# Allegro board STARRYSKY.brd (continued)
## Routing (per net, layer and track width the routed paths; a pad name or vN(x,y) marks a point on that pad's centre or on a via; arc(x,y) is an arc through that point) (continued)
  TOP w0.381: U26.2 v1(54.54,63.25) ; v1(48.23,28.15) 47.85,28.53 C56.2 ; C29.2 57.9,28.53 58.2,28.83 v1(58.2,29.27) ; U32.2 v1(21.58,63.25) ; U9.2 40.81,10.67 40.66,10.82 v1(40.66,11.28) ; U27.2 v1(52,63.25) ; U45.2 v1(57.07,63.25) ; U7.2 v1(45.68,10.67) ; U36.2 v1(31.72,63.25) ; U10.2 v1(40.93,7.9) ; R3.1 v1(59.87,9.42) ; U31.2 v1(24.11,63.25) ; U14.2 45.55,7.9 45.93,7.52 v1(45.93,7.15) ; v1(9.77,25.76) U18.8 U18.3 ; U37.2 v1(49.47,63.25) ; U38.2 v1(46.93,63.25) ; U33.2 v1(36.79,63.25) ; v1(42.57,64.82) 42.28,64.82 41.86,64.4 U40.2 ; U39.2 v1(44.4,63.25) ; U30.2 v1(26.65,63.25) ; U29.2 v1(29.19,63.25) ; v1(54.92,29.47) 54.92,28.71 55.11,28.53 R182.2 ; U35.2 v1(34.26,63.25) ; U11.2 v1(45.68,5.13) ; U12.2 v1(40.93,5.13) ; U34.2 v1(39.33,63.25)
  TOP w0.432: C12.2 v1(93.27,20.89) ; C6.2 v1(96.27,32.57) ; C13.2 v1(94.27,20.89) ; C24.2 v1(96.27,26.73) ; C10.2 v1(96.27,20.89) ; C21.2 v1(95.27,26.73) ; C19.2 v1(93.27,26.73) ; C1.2 v1(94.27,32.57) ; C3.2 v1(95.27,32.57) ; C14.2 v1(95.27,20.89) ; C2.2 v1(93.27,32.57) ; C20.2 v1(94.27,26.73)
  TOP w0.457: U19.11 v1(17.25,34.45)
  TOP w0.508: C117.2 v1(13.11,69.13) ; C183.2 v1(82.82,67.9) ; v1(29.81,48.6) 29.6,48.39 C9.2 ; C161.2 v1(73.09,72.83) ; SW12.3 v1(40.83,33.07) ; SW12.3 v1(42.74,33.07) ; SW12.3 v1(41.79,33.75) ; J14.10 v1(95.58,82.39) ; J14.10 v1(96.93,83.54) ; J14.10 v1(98.29,82.39) ; J14.10 v1(96.93,81.23) ; 50.16,26.56 v1(50.16,25.18) ; v1(24.1,39.16) C98.2 C99.2 ; SW9.4 v1(26.23,2.06) ; SW9.4 v1(25.55,1.11) ; SW9.4 v1(26.84,1.11) ; C115.2 v1(13.09,75.86) ; C46.2 v1(41.67,50.22) ; v1(45.81,28.28) 46.05,28.53 C45.2 ; C48.2 v1(41.67,48.45) ; C72.2 v1(59.28,18.91) ; SW16.1 v1(26.32,20.66) ; SW16.1 v1(25.37,19.98) ; SW16.1 v1(25.37,21.34) ; SW16.1 v1(24.41,20.66) ; U24.4 v1(92.09,54.82) ; C97.2 v1(23.1,39.16) ; R79.1 v1(32.57,49.66) ; v1(19.29,36.24) 20.44,36.24 v1(20.86,36.66) ; v1(95.31,8.19) v1(96.67,8.19) v1(96.67,9.45) ; SW15.2 v1(22.17,24.48) ; SW15.2 v1(20.26,24.48) ; SW15.2 v1(21.21,25.16) ; SW15.2 v1(21.21,23.8) ; C40.2 v1(20.41,56.59) ; v1(5.41,72.08) LED6.3 v1(6.37,70.92) ; C59.2 v1(70.59,39.13) ; C88.1 v1(24.54,29.86) ; J12.6 v1(31.6,73.08) v1(30.48,71.96) v1(30.48,70.24) v1(30.48,69.08) ; J5.11 v1(23.31,12.97) ; J5.11 v1(23.31,15.08) ; J5.11 v1(24.17,14.02) ; J5.11 v1(22.46,14.02) ; 30.87,4.45 30.84,4.42 v1(30.84,3.1) ; 30.87,4.45 30.87,5.43 v1(31.12,5.68) ; 30.87,4.45 C75.2 ; J5.10 v1(8.63,12.97) ; J5.10 v1(8.63,15.08) ; J5.10 v1(7.78,14.02) ; Q1.2 v1(19.6,26.53) ; X4.2 v1(86.24,39.93) ; C58.2 v1(69.47,33.85) ; C29.2 C55.2 R182.2 ; J21.33 v1(47.62,25.18) ; v1(26.23,6.22) SW9.3 v1(26.84,5.26) ; v1(88.36,36.83) v1(85.76,36.83) ; v1(88.36,36.83) R21.2 ; v1(88.36,36.83) 89.63,36.83 ; SW15.1 v1(25.37,25.16) ; SW15.1 v1(25.37,23.8) ; SW15.1 v1(24.41,24.48) ; SW15.1 v1(26.32,24.48) ; C116.2 v1(1.57,75.86) ; R78.1 v1(34.37,49.66) ; v1(79.69,54.87) 80.45,54.11 82.57,54.11 83.14,54.68 83.14,58.12 82.63,58.63 79.82,58.63 v1(79.69,58.51) C111.2 ; C74.2 v1(26.97,7.32) ; v1(11.62,70.92) LED7.3 v1(10.66,72.08) ; 52.7,26.56 v1(52.7,25.18) ; C76.1 v1(31.81,17.77) ; v1(40.97,62.19) 41.57,61.58 C16.2 ; SW6.2 v1(27.46,61.4) ; J5.12 v1(9.59,4.32) ; J5.12 v1(8.63,2.97) ; J5.12 v1(7.68,4.32) ; J5.12 v1(8.63,5.68) ; C121.1 v1(14.73,67.7) ; v1(87.73,51.47) 86.91,52.28 U24.7 ; C186.2 v1(80.4,65.06) ; SW12.4 v1(38.59,33.07) ; SW12.4 v1(37.63,33.75) ; SW12.4 v1(36.68,33.07) ; C8.2 v1(30.6,48.51) ; J21.23 v1(53.98,25.18) ; R34.2 v1(20.41,58.59) ; v1(20.86,36.66) 20.86,35.55 20.41,35.09 v1(19.63,35.09) v1(17.49,35.09) v1(16.15,35.09) 15.94,35.3 v1(15.94,35.76) 15.94,36.4 15.94,36.4 v1(15.94,37.94) ; v1(20.86,36.66) v1(20.86,38.06) 20.86,38.92 v1(21.1,39.16) C95.1 ; C87.2 v1(14.85,27.07) ; C35.2 v1(57.5,56.34) ; R96.2 v1(16.7,43) ; v1(30.84,3.1) 30.72,2.98 v1(30.72,0.92) ; v1(30.84,3.1) X1.4 ; J19.B1A12 v1(75.32,77.26) ; C96.2 v1(19.7,40.33) ; 55.24,26.56 v1(55.24,25.18) ; C17.2 v1(29.59,62.19) ; R7.2 v1(66.85,9.42) ; C43.2 v1(41.67,40.91) ; R63.2 v1(40.74,15.01) ; v1(47.13,70.26) v1(47.13,72.86) v1(47.13,75.07) v1(47.13,77.51) 47.13,78.61 v1(45.75,79.99) v1(43.03,79.99) v1(41.04,79.99) v1(39.11,79.99) v1(36.84,79.99) v1(34.36,79.99) v1(32.91,78.54) v1(32,77.63) v1(32,76.16) ; v1(38.59,28.29) SW14.4 v1(37.63,27.61) ; v1(85.82,25.63) R31.2 ; v1(74.68,25.53) R39.2 ; C79.2 v1(37.71,2.93) ; C66.2 v1(64.82,10.42) ; v1(81.2,40.16) 79.96,41.41 C167.2 ; U24.1 v1(92.09,51.01) ; C162.2 v1(71.71,49.04) ; U17.4 v1(36.61,22.34) ; C84.2 v1(11.87,23.81) ; v1(41.79,27.61) SW14.3 v1(42.74,28.29) ; v1(91.51,38.69) 91.75,38.45 91.75,37.56 91.03,36.83 v1(90.9,36.83) ; v1(91.51,38.69) v1(91.51,40.4) v1(91.51,42.13) 91.51,42.53 90.9,43.13 v1(90.62,43.13) SW19.1 ; v1(91.51,38.69) C192.2 ; v1(15.94,37.94) v1(17.09,37.94) ; v1(15.94,37.94) 15.94,38.75 16.48,39.29 v1(16.69,39.29) 16.69,39.77 16.7,39.79 v1(16.7,40.45) v1(16.7,42) R102.1 ; C110.2 v1(69.6,55.28) ; v1(8.6,52.69) J10.5 v1(15.31,52.69) ; C94.2 v1(17.27,50) ; C47.2 v1(41.67,51.22) ; C129.2 v1(99.47,76.75) ; C107.1 v1(60.47,71.94) ; J14.9 v1(103.83,83.54) ; J14.9 v1(102.48,82.39) ; J14.9 v1(103.83,81.23) ; U28.4 v1(76.36,58.48) ; v1(90.9,36.83) 89.63,36.83 ; v1(90.9,36.83) R25.2 ; v1(68.01,72.94) C108.2 ; C53.2 v1(70.09,50.97) ; U24.3 v1(92.09,53.55) ; C104.2 v1(16.7,45) ; J13.4 v1(87.55,82.01) ; v1(80.58,43.15) 80.12,43.15 79.85,42.88 C166.2 ; C39.2 v1(20.41,59.59) ; v1(10.63,78.8) LED8.3 v1(11.58,77.64) ; C36.2 v1(59.5,56.34) ; C91.2 v1(17.56,64.88) ; SW16.2 v1(22.17,20.66) ; SW16.2 v1(20.26,20.66) ; SW16.2 v1(21.21,21.34) ; SW16.2 v1(21.21,19.98) ; J9.B1A12 v1(8.65,57.81) ; U53.11 v1(78.9,59.7) ; C124.2 v1(78.65,53.2) ; v1(77.22,25.53) R41.2 ; R179.1 v1(80.59,76.17) ; C83.2 v1(39.21,28.99) ; C77.2 v1(35.11,4.46) 35.53,4.04 v1(35.53,2.95) 35.53,1.79 v1(35.15,1.41) X1.2 ; C31.2 v1(41.67,42.91) ; C82.1 v1(40.74,14.01) ; C42.2 v1(46,56.34) ; C163.2 v1(76.55,49.04) ; C33.2 v1(49,56.34) ; R181.2 C181.2 v1(75.34,75.78) ; C52.2 v1(70.09,49.97) ; U24.2 v1(92.09,52.28) ; C102.2 v1(14.56,55.29) ; C44.2 v1(41.67,41.91) ; C105.2 v1(10.43,57.83) ; C90.1 v1(19.78,57.35) ; C78.2 v1(36.71,2.93) ; v1(63.84,29.32) 63.84,28.83 64.15,28.53 C30.2 ; C85.2 v1(39.22,25.44) ; J10.6 v1(8.6,37.69) ; R71.1 v1(36.19,27.22) ; C89.2 v1(18.31,26.95) ; R86.1 v1(10.04,63.08) ; J5.6 v1(13.03,13.87) ; C92.2 v1(17.27,51) ; C34.2 v1(54.12,55.73) ; C7.2 v1(37.92,49.04) ; C160.2 v1(72.59,71.83) ; 89.63,36.83 R23.2 ; R80.1 v1(29.91,49.69) ; v1(71.98,68.22) SW18.1 SW18.2 v1(67.83,68.22) ; v1(83.28,25.63) R28.2 ; C182.1 v1(74.68,67.51) ; C67.1 v1(56.39,17.6) ; C32.2 v1(41.67,47.45) ; C68.2 v1(56.39,16.62) ; C71.1 v1(67.42,19.3) ; J9.A1B12 v1(8.65,64.21) ; J21.31 v1(48.9,25.18) ; J21.27 v1(51.44,25.18) ; R82.1 v1(29.91,50.69) ; v1(6.37,77.64) LED9.3 v1(5.41,78.8) ; C80.2 v1(50.47,13.03) ; C126.2 v1(55.31,69.99) ; R73.1 v1(36.19,28.22) ; C38.2 v1(20.41,55.59) ; C50.2 v1(47,56.34) ; R58.2 v1(26.97,9.33) ; J6.4 v1(51.04,8.84) ; C73.1 v1(26.97,8.33) ; C49.2 v1(48,56.34) ; SW6.1 v1(23.3,61.4) ; SW8.1 v1(46.27,14.46) ; C123.1 75.12,51.56 v1(75.13,51.58) ; v1(78.49,25.53) R42.2 ; R168.1 v1(91.34,56) ; v1(13.51,40.54) 14.23,40.54 14.66,40.96 J10.4 ; C86.2 v1(14.85,28.07) ; C65.2 v1(68.31,12.99) ; R89.2 v1(9.43,57.83) ; Q2.2 v1(61.96,69.59) ; v1(75.95,25.53) R40.2 ; v1(23.2,4.32) J5.13 v1(24.15,5.68) ; C118.2 v1(1.57,69.16) ; R93.1 v1(24.92,49.61) ; U6.2 v1(25.26,57.59) ; LED2.2 v1(37.96,0.9) ; C18.2 v1(30.59,62.19) ; C122.2 v1(14.09,75.86) ; C101.2 v1(13.56,55.29) ; J19.A1B12 v1(81.72,77.26) ; C70.2 v1(19.53,16.06) ; v1(84.55,25.63) R29.2 ; SW17.1 v1(17.98,77.34) ; C51.2 v1(58.5,56.34) ; U13.11 v1(50.14,15.6) ; C81.2 v1(32.81,17.77) ; TP7.1 v1(26.83,16.11) ; C69.2 v1(20.53,16.06) ; C103.2 v1(16.7,46.01) ; C127.1 v1(98.47,76.75)
  TOP w0.61: U21.2 v1(21.16,49.95)
  GND02 w0.356: J3.2 79.52,7 ; J3.2 79.52,8.17 ; J3.2 77.96,7 ; J3.2 77.96,5.82 ; J3.2 78.74,5.82 ; J3.2 78.74,8.17 ; J3.2 77.96,8.17 ; J3.2 79.52,5.82 ; J9.3 3.9,65.33 ; J9.3 1.74,64.56 ; J9.3 2.82,66.11 ; J9.3 1.74,66.11 ; J9.3 3.9,64.56 ; J9.3 1.74,65.33 ; J9.3 3.9,66.11 ; J9.3 2.82,64.56 ; 41.62,74.96 J12.10 ; J12.10 42.65,75.99 ; J12.10 43.42,74.19 ; J12.10 41.87,75.74 ; J12.10 41.87,74.19 ; J12.10 43.67,74.96 ; J12.10 42.65,73.94 ; J12.10 43.42,75.74 ; 35.78,73.94 J12.7 ; J12.7 36.55,74.19 ; J12.7 36.55,75.74 ; J12.7 36.8,74.96 ; J12.7 35,75.74 ; J12.7 35.78,75.99 ; J12.7 35,74.19 ; J12.7 34.75,74.96 ; 58.23,1.74 J1.3 ; J1.3 59,3.89 ; J1.3 57.45,3.89 ; J1.3 58.23,3.89 ; J1.3 57.45,1.74 ; J1.3 57.45,2.82 ; J1.3 59,2.82 ; J1.3 59,1.74 ; 69.32,8.17 J3.1 ; J3.1 70.1,8.17 ; J3.1 70.88,7 ; J3.1 70.88,5.82 ; J3.1 69.32,5.82 ; J3.1 70.88,8.17 ; J3.1 70.1,5.82 ; J3.1 69.32,7 ; J3.3 70.88,1.74 ; J3.3 70.88,2.82 ; J3.3 70.1,1.74 ; J3.3 69.32,3.89 ; J3.3 69.32,1.74 ; J3.3 70.1,3.89 ; J3.3 69.32,2.82 ; J3.3 70.88,3.89 ; 24.98,73.23 J12.17 ; J12.17 24.98,76.7 ; J12.17 28.44,73.23 ; J12.17 29.09,74.96 ; J12.17 26.71,72.59 ; J12.17 24.33,74.96 ; J12.17 28.44,76.7 ; J12.17 26.71,77.34 ; 43.01,73.76 J12.5 ; J12.5 43.79,74.01 ; J12.5 44.57,72.21 ; J12.5 43.79,71.96 ; J12.5 42.76,72.98 ; J12.5 43.01,72.21 ; J12.5 44.82,72.98 ; J12.5 44.57,73.76 ; J2.4 41.23,39.39 ; J2.4 40.99,38.64 ; J2.4 39.51,38.64 ; J2.4 39.27,39.39 ; J2.4 40.25,40.36 ; J2.4 40.99,40.13 ; J2.4 40.25,38.41 ; J3.4 79.52,3.89 ; J3.4 77.96,3.89 ; J3.4 78.74,1.74 ; J3.4 78.74,3.89 ; J3.4 77.96,2.82 ; J3.4 77.96,1.74 ; J3.4 79.52,1.74 ; J3.4 79.52,2.82 ; J1.4 67.64,3.89 ; J1.4 66.87,1.74 ; J1.4 66.87,3.89 ; J1.4 66.09,1.74 ; J1.4 66.09,3.89 ; J1.4 67.64,1.74 ; J1.4 66.09,2.82 ; J1.4 67.64,2.82 ; J11.7 65.97,82.96 ; J11.7 64.24,81.24 ; J11.7 62.97,81.69 ; J11.7 64.24,84.69 ; J11.7 65.51,81.69 ; J11.7 62.51,82.96 ; J11.7 62.97,84.24 ; J11.7 65.51,84.24 ; 82.07,78.91 J19.1 ; J19.1 82.84,77.73 ; J19.1 82.07,77.73 ; J19.1 83.62,80.09 ; J19.1 83.62,77.73 ; J19.1 82.84,80.09 ; J19.1 83.62,78.91 ; J19.1 82.07,80.09 ; J12.8 38.84,74.19 ; J12.8 39.09,74.96 ; J12.8 38.07,75.99 ; J12.8 37.04,74.96 ; J12.8 38.07,73.94 ; J12.8 37.29,74.19 ; J12.8 38.84,75.74 ; J12.8 37.29,75.74 ; 69.36,81.97 J11.8 ; J11.8 69.82,80.69 ; J11.8 72.36,80.69 ; J11.8 72.82,81.97 ; J11.8 72.36,83.24 ; J11.8 71.09,80.24 ; J11.8 69.82,83.24 ; J11.8 71.09,83.69 ; J4.4 41.23,53.07 ; J4.4 40.25,54.04 ; J4.4 40.25,52.09 ; J4.4 39.27,53.07 ; J4.4 40.99,52.32 ; J4.4 39.51,52.32 ; J4.4 40.99,53.81 ; J9.1 8.18,66.11 ; J9.1 7,66.11 ; J9.1 5.82,64.56 ; J9.1 8.18,64.56 ; J9.1 5.82,66.11 ; J9.1 7,64.56 ; J9.1 8.18,65.33 ; J9.1 5.82,65.33 ; 3.4,19.7 J8.2 ; J8.2 3.4,21.65 ; J8.2 4.38,20.68 ; J8.2 2.43,20.68 ; J8.2 2.66,19.93 ; J8.2 4.15,19.93 ; J8.2 4.15,21.42 ; J8.2 2.66,21.42 ; 32.71,74.19 J12.6 ; J12.6 32.46,74.96 ; J12.6 34.26,74.19 ; J12.6 34.26,75.74 ; J12.6 34.51,74.96 ; J12.6 32.71,75.74 ; J12.6 33.49,75.99 ; J12.6 33.49,73.94 ; 55.66,81.97 J11.9 ; J11.9 58.66,83.24 ; J11.9 58.66,80.69 ; J11.9 56.12,80.69 ; J11.9 59.12,81.97 ; J11.9 57.39,80.24 ; J11.9 57.39,83.69 ; J11.9 56.12,83.24 ; 2.43,30.84 J8.10 ; J8.10 2.66,30.09 ; J8.10 4.15,30.09 ; J8.10 3.4,31.81 ; J8.10 4.15,31.58 ; J8.10 3.4,29.86 ; J8.10 2.66,31.58 ; J8.10 4.38,30.84 ; J1.2 67.64,5.82 ; J1.2 66.87,8.17 ; J1.2 66.87,5.82 ; J1.2 66.09,7 ; J1.2 66.09,5.82 ; J1.2 66.09,8.17 ; J1.2 67.64,8.17 ; J1.2 67.64,7 ; 57.45,8.17 J1.1 ; J1.1 57.45,5.82 ; J1.1 59,8.17 ; J1.1 58.23,5.82 ; J1.1 59,7 ; J1.1 57.45,7 ; J1.1 58.23,8.17 ; J1.1 59,5.82 ; J11.3 61.82,78.69 ; J11.3 60.84,79.67 ; J11.3 61.58,79.43 ; J11.3 60.1,77.94 ; J11.3 60.1,79.43 ; J11.3 59.86,78.69 ; J11.3 60.84,77.71 ; J11.3 61.58,77.94 ; J19.3 83.62,84.17 ; J19.3 82.84,82.01 ; J19.3 82.07,83.09 ; J19.3 82.07,82.01 ; J19.3 82.07,84.17 ; J19.3 83.62,83.09 ; J19.3 82.84,84.17 ; J19.4 74.98,83.09 ; J19.4 73.43,83.09 ; J19.4 73.43,84.17 ; J19.4 74.2,82.01 ; J19.4 74.98,84.17 ; J19.4 74.2,84.17 ; J19.4 74.98,82.01 ; J19.4 73.43,82.01 ; 49.98,76.7 J12.16 ; J12.16 54.09,74.96 ; J12.16 53.44,73.23 ; J12.16 51.71,77.34 ; J12.16 49.98,73.23 ; J12.16 51.71,72.59 ; J12.16 53.44,76.7 ; J12.16 49.33,74.96 ; J9.2 8.18,57.47 ; J9.2 7,55.92 ; J9.2 5.82,57.47 ; J9.2 5.82,56.69 ; J9.2 7,57.47 ; J9.2 8.18,56.69 ; J9.2 8.18,55.92 ; J9.2 5.82,55.92 ; 73.43,78.91 J19.2 ; J19.2 74.2,80.09 ; J19.2 74.98,78.91 ; J19.2 74.98,80.09 ; J19.2 73.43,77.73 ; J19.2 74.98,77.73 ; J19.2 74.2,77.73 ; J19.2 73.43,80.09 ; J9.4 2.82,57.47 ; J9.4 3.9,57.47 ; J9.4 3.9,56.69 ; J9.4 1.74,55.92 ; J9.4 2.82,55.92 ; J9.4 3.9,55.92 ; J9.4 1.74,57.47 ; J9.4 1.74,56.69
  ART03 w0.381: v1(41.67,50.22) 42.12,50.22 42.74,49.6 43.26,49.6 v1(43.65,49.21) 44.2,49.21 44.37,49.38 v1(46.36,49.38) 46.94,49.96 57.92,49.96 v1(59.19,51.23) ; v1(55.86,51.12) 44.34,51.12 44.33,51.11 v1(43.88,51.11) 43.88,51.52 43.49,51.91 42.35,51.91 v1(41.67,51.22) ; v1(40.97,62.19) 42.96,60.19 42.96,58.31 44.94,56.34 v1(46,56.34) v1(47,56.34) v1(48,56.34) v1(49,56.34) 49.87,57.22 53.16,57.22 v1(54.11,58.17) 54.85,57.43 55.92,57.43 57.01,56.34 v1(57.5,56.34) ; v1(41.22,58.14) 45.13,54.23 v1(46.66,54.23) 48.06,54.23 48.13,54.16 v1(48.59,54.16) 49.36,53.38 57.41,53.38 v1(58.13,54.11)
  GND05 w0.356: J19.1 83.62,80.09 ; J19.1 82.07,80.09 ; J19.1 83.62,77.73 ; J19.1 82.07,77.73 ; J19.1 82.84,80.09 ; J19.1 82.07,78.91 ; J19.1 82.84,77.73 ; J19.1 83.62,78.91 ; J9.2 8.18,57.47 ; J9.2 5.82,55.92 ; J9.2 7,55.92 ; J9.2 5.82,56.69 ; J9.2 5.82,57.47 ; J9.2 8.18,55.92 ; J9.2 8.18,56.69 ; J9.2 7,57.47 ; J12.10 43.42,75.74 ; J12.10 42.65,75.99 ; J12.10 41.87,74.19 ; J12.10 41.87,75.74 ; J12.10 43.67,74.96 ; J12.10 41.62,74.96 ; J12.10 43.42,74.19 ; J12.10 42.65,73.94 ; J1.2 66.87,8.17 ; J1.2 67.64,8.17 ; J1.2 67.64,7 ; J1.2 67.64,5.82 ; J1.2 66.09,8.17 ; J1.2 66.87,5.82 ; J1.2 66.09,5.82 ; J1.2 66.09,7 ; J9.3 3.9,65.33 ; J9.3 1.74,66.11 ; J9.3 3.9,64.56 ; J9.3 3.9,66.11 ; J9.3 2.82,64.56 ; J9.3 1.74,65.33 ; J9.3 2.82,66.11 ; J9.3 1.74,64.56 ; 37.29,74.19 J12.8 ; J12.8 37.04,74.96 ; J12.8 39.09,74.96 ; J12.8 38.07,73.94 ; J12.8 38.84,74.19 ; J12.8 37.29,75.74 ; J12.8 38.07,75.99 ; J12.8 38.84,75.74 ; J12.7 36.55,74.19 ; J12.7 35.78,73.94 ; J12.7 36.55,75.74 ; J12.7 35,74.19 ; J12.7 36.8,74.96 ; J12.7 35,75.74 ; J12.7 35.78,75.99 ; J12.7 34.75,74.96 ; 57.45,2.82 J1.3 ; J1.3 57.45,1.74 ; J1.3 59,1.74 ; J1.3 59,3.89 ; J1.3 58.23,1.74 ; J1.3 57.45,3.89 ; J1.3 59,2.82 ; J1.3 58.23,3.89 ; J12.6 34.26,75.74 ; J12.6 32.71,74.19 ; J12.6 34.51,74.96 ; J12.6 34.26,74.19 ; J12.6 33.49,73.94 ; J12.6 32.71,75.74 ; J12.6 32.46,74.96 ; J12.6 33.49,75.99 ; 24.33,74.96 J12.17 ; J12.17 26.71,72.59 ; J12.17 24.98,76.7 ; J12.17 28.44,73.23 ; J12.17 28.44,76.7 ; J12.17 26.71,77.34 ; J12.17 29.09,74.96 ; J12.17 24.98,73.23 ; J1.1 59,8.17 ; J1.1 57.45,8.17 ; J1.1 57.45,5.82 ; J1.1 58.23,8.17 ; J1.1 59,5.82 ; J1.1 59,7 ; J1.1 58.23,5.82 ; J1.1 57.45,7 ; J11.7 64.24,84.69 ; J11.7 65.51,84.24 ; J11.7 65.97,82.96 ; J11.7 65.51,81.69 ; J11.7 62.51,82.96 ; J11.7 62.97,84.24 ; J11.7 64.24,81.24 ; J11.7 62.97,81.69 ; 49.98,76.7 J12.16 ; J12.16 54.09,74.96 ; J12.16 49.98,73.23 ; J12.16 53.44,73.23 ; J12.16 51.71,77.34 ; J12.16 53.44,76.7 ; J12.16 51.71,72.59 ; J12.16 49.33,74.96 ; 78.74,5.82 J3.2 ; J3.2 78.74,8.17 ; J3.2 77.96,8.17 ; J3.2 79.52,5.82 ; J3.2 77.96,7 ; J3.2 77.96,5.82 ; J3.2 79.52,7 ; J3.2 79.52,8.17 ; J11.9 58.66,80.69 ; J11.9 57.39,80.24 ; J11.9 55.66,81.97 ; J11.9 58.66,83.24 ; J11.9 56.12,80.69 ; J11.9 56.12,83.24 ; J11.9 57.39,83.69 ; J11.9 59.12,81.97 ; 69.32,7 J3.1 ; J3.1 70.88,5.82 ; J3.1 70.1,5.82 ; J3.1 70.1,8.17 ; J3.1 69.32,5.82 ; J3.1 70.88,7 ; J3.1 69.32,8.17 ; J3.1 70.88,8.17 ; 69.82,80.69 J11.8 ; J11.8 72.36,80.69 ; J11.8 72.82,81.97 ; J11.8 69.82,83.24 ; J11.8 71.09,80.24 ; J11.8 69.36,81.97 ; J11.8 71.09,83.69 ; J11.8 72.36,83.24 ; 39.51,52.32 J4.4 ; J4.4 41.23,53.07 ; J4.4 39.27,53.07 ; J4.4 40.25,54.04 ; J4.4 40.99,52.32 ; J4.4 40.25,52.09 ; J4.4 40.99,53.81 ; 39.51,38.64 J2.4 ; J2.4 40.99,38.64 ; J2.4 40.99,40.13 ; J2.4 40.25,40.36 ; J2.4 39.27,39.39 ; J2.4 41.23,39.39 ; J2.4 40.25,38.41 ; J3.4 79.52,2.82 ; J3.4 79.52,3.89 ; J3.4 77.96,1.74 ; J3.4 78.74,1.74 ; J3.4 77.96,3.89 ; J3.4 78.74,3.89 ; J3.4 77.96,2.82 ; J3.4 79.52,1.74 ; 60.1,77.94 J11.3 ; J11.3 60.84,79.67 ; J11.3 60.1,79.43 ; J11.3 61.82,78.69 ; J11.3 61.58,77.94 ; J11.3 61.58,79.43 ; J11.3 59.86,78.69 ; J11.3 60.84,77.71 ; J3.3 70.88,2.82 ; J3.3 70.88,1.74 ; J3.3 70.1,1.74 ; J3.3 70.1,3.89 ; J3.3 70.88,3.89 ; J3.3 69.32,2.82 ; J3.3 69.32,1.74 ; J3.3 69.32,3.89 ; J19.3 82.84,84.17 ; J19.3 82.07,83.09 ; J19.3 82.07,82.01 ; J19.3 82.84,82.01 ; J19.3 82.07,84.17 ; J19.3 83.62,83.09 ; J19.3 83.62,84.17 ; 66.87,1.74 J1.4 ; J1.4 66.09,3.89 ; J1.4 67.64,2.82 ; J1.4 67.64,1.74 ; J1.4 67.64,3.89 ; J1.4 66.87,3.89 ; J1.4 66.09,2.82 ; J1.4 66.09,1.74 ; 73.43,83.09 J19.4 ; J19.4 74.98,84.17 ; J19.4 74.98,82.01 ; J19.4 73.43,84.17 ; J19.4 74.2,84.17 ; J19.4 74.98,83.09 ; J19.4 74.2,82.01 ; J19.4 73.43,82.01 ; J9.1 8.18,64.56 ; J9.1 5.82,65.33 ; J9.1 7,64.56 ; J9.1 5.82,64.56 ; J9.1 8.18,65.33 ; J9.1 7,66.11 ; J9.1 8.18,66.11 ; J9.1 5.82,66.11 ; 2.66,31.58 J8.10 ; J8.10 3.4,31.81 ; J8.10 2.66,30.09 ; J8.10 4.38,30.84 ; J8.10 4.15,31.58 ; J8.10 3.4,29.86 ; J8.10 2.43,30.84 ; J8.10 4.15,30.09 ; J8.2 4.38,20.68 ; J8.2 3.4,21.65 ; J8.2 3.4,19.7 ; J8.2 2.43,20.68 ; J8.2 4.15,19.93 ; J8.2 2.66,19.93 ; J8.2 2.66,21.42 ; J8.2 4.15,21.42 ; J9.4 2.82,57.47 ; J9.4 1.74,55.92 ; J9.4 3.9,55.92 ; J9.4 2.82,55.92 ; J9.4 1.74,57.47 ; J9.4 3.9,57.47 ; J9.4 3.9,56.69 ; J9.4 1.74,56.69 ; J12.5 44.57,73.76 ; J12.5 42.76,72.98 ; J12.5 43.79,71.96 ; J12.5 44.57,72.21 ; J12.5 43.01,73.76 ; J12.5 43.79,74.01 ; J12.5 44.82,72.98 ; J12.5 43.01,72.21 ; J19.2 74.98,77.73 ; J19.2 73.43,78.91 ; J19.2 73.43,80.09 ; J19.2 74.2,77.73 ; J19.2 74.98,78.91 ; J19.2 74.98,80.09 ; J19.2 74.2,80.09 ; J19.2 73.43,77.73
  GND07 w0.356: J19.1 82.84,80.09 ; J19.1 82.84,77.73 ; J19.1 83.62,80.09 ; J19.1 82.07,78.91 ; J19.1 82.07,77.73 ; J19.1 83.62,78.91 ; J19.1 83.62,77.73 ; J19.1 82.07,80.09 ; J12.8 38.84,74.19 ; J12.8 39.09,74.96 ; J12.8 38.84,75.74 ; J12.8 38.07,73.94 ; J12.8 37.29,75.74 ; J12.8 37.29,74.19 ; J12.8 37.04,74.96 ; J12.8 38.07,75.99 ; 77.96,2.82 J3.4 ; J3.4 79.52,3.89 ; J3.4 78.74,1.74 ; J3.4 77.96,3.89 ; J3.4 79.52,1.74 ; J3.4 78.74,3.89 ; J3.4 79.52,2.82 ; J3.4 77.96,1.74 ; 69.82,80.69 J11.8 ; J11.8 69.36,81.97 ; J11.8 71.09,83.69 ; J11.8 69.82,83.24 ; J11.8 72.36,80.69 ; J11.8 72.82,81.97 ; J11.8 71.09,80.24 ; J11.8 72.36,83.24 ; 66.09,1.74 J1.4 ; J1.4 66.87,1.74 ; J1.4 66.09,3.89 ; J1.4 66.09,2.82 ; J1.4 67.64,3.89 ; J1.4 67.64,2.82 ; J1.4 66.87,3.89 ; J1.4 67.64,1.74 ; J9.2 8.18,55.92 ; J9.2 8.18,56.69 ; J9.2 7,55.92 ; J9.2 8.18,57.47 ; J9.2 5.82,57.47 ; J9.2 7,57.47 ; J9.2 5.82,55.92 ; J9.2 5.82,56.69 ; 57.45,1.74 J1.3 ; J1.3 57.45,3.89 ; J1.3 59,2.82 ; J1.3 58.23,3.89 ; J1.3 57.45,2.82 ; J1.3 59,1.74 ; J1.3 59,3.89 ; J1.3 58.23,1.74 ; 26.71,72.59 J12.17 ; J12.17 24.98,73.23 ; J12.17 24.98,76.7 ; J12.17 28.44,73.23 ; J12.17 26.71,77.34 ; J12.17 29.09,74.96 ; J12.17 28.44,76.7 ; J12.17 24.33,74.96 ; J19.4 74.2,84.17 ; J19.4 74.2,82.01 ; J19.4 73.43,82.01 ; J19.4 73.43,83.09 ; J19.4 74.98,84.17 ; J19.4 74.98,83.09 ; J19.4 74.98,82.01 ; J19.4 73.43,84.17 ; 49.98,76.7 J12.16 ; J12.16 54.09,74.96 ; J12.16 49.33,74.96 ; J12.16 53.44,73.23 ; J12.16 51.71,72.59 ; J12.16 53.44,76.7 ; J12.16 51.71,77.34 ; J12.16 49.98,73.23 ; J9.1 8.18,65.33 ; J9.1 8.18,64.56 ; J9.1 8.18,66.11 ; J9.1 7,64.56 ; J9.1 5.82,66.11 ; J9.1 7,66.11 ; J9.1 5.82,65.33 ; J9.1 5.82,64.56 ; 2.43,20.68 J8.2 ; J8.2 4.38,20.68 ; J8.2 2.66,19.93 ; J8.2 3.4,19.7 ; J8.2 4.15,21.42 ; J8.2 3.4,21.65 ; J8.2 4.15,19.93 ; J8.2 2.66,21.42 ; J12.7 36.55,74.19 ; J12.7 36.8,74.96 ; J12.7 34.75,74.96 ; J12.7 36.55,75.74 ; J12.7 35.78,73.94 ; J12.7 35,75.74 ; J12.7 35,74.19 ; J12.7 35.78,75.99 ; 66.09,8.17 J1.2 ; J1.2 67.64,8.17 ; J1.2 66.09,5.82 ; J1.2 67.64,7 ; J1.2 66.87,8.17 ; J1.2 67.64,5.82 ; J1.2 66.09,7 ; J1.2 66.87,5.82 ; J3.2 79.52,5.82 ; J3.2 78.74,8.17 ; J3.2 77.96,7 ; J3.2 77.96,8.17 ; J3.2 79.52,7 ; J3.2 77.96,5.82 ; J3.2 79.52,8.17 ; J3.2 78.74,5.82 ; J3.1 70.88,5.82 ; J3.1 70.1,8.17 ; J3.1 69.32,5.82 ; J3.1 70.88,7 ; J3.1 70.1,5.82 ; J3.1 69.32,8.17 ; J3.1 70.88,8.17 ; J3.1 69.32,7 ; 43.01,72.21 J12.5 ; J12.5 44.82,72.98 ; J12.5 42.76,72.98 ; J12.5 43.01,73.76 ; J12.5 43.79,71.96 ; J12.5 44.57,73.76 ; J12.5 44.57,72.21 ; J12.5 43.79,74.01 ; 62.51,82.96 J11.7 ; J11.7 64.24,81.24 ; J11.7 65.51,84.24 ; J11.7 64.24,84.69 ; J11.7 62.97,81.69 ; J11.7 65.51,81.69 ; J11.7 62.97,84.24 ; J11.7 65.97,82.96 ; 32.71,74.19 J12.6 ; J12.6 34.51,74.96 ; J12.6 33.49,75.99 ; J12.6 32.46,74.96 ; J12.6 34.26,75.74 ; J12.6 32.71,75.74 ; J12.6 34.26,74.19 ; J12.6 33.49,73.94 ; 69.32,2.82 J3.3 ; J3.3 70.1,1.74 ; J3.3 70.88,3.89 ; J3.3 70.88,2.82 ; J3.3 70.1,3.89 ; J3.3 69.32,1.74 ; J3.3 69.32,3.89 ; J3.3 70.88,1.74 ; J8.10 4.15,31.58 ; J8.10 3.4,31.81 ; J8.10 2.66,30.09 ; J8.10 2.43,30.84 ; J8.10 4.15,30.09 ; J8.10 4.38,30.84 ; J8.10 2.66,31.58 ; J8.10 3.4,29.86 ; 82.07,82.01 J19.3 ; J19.3 83.62,84.17 ; J19.3 82.84,84.17 ; J19.3 82.07,84.17 ; J19.3 82.07,83.09 ; J19.3 82.84,82.01 ; J19.3 83.62,83.09 ; 39.27,39.39 J2.4 ; J2.4 40.25,40.36 ; J2.4 40.99,40.13 ; J2.4 40.99,38.64 ; J2.4 40.25,38.41 ; J2.4 39.51,38.64 ; J2.4 41.23,39.39 ; 39.27,53.07 J4.4 ; J4.4 40.99,53.81 ; J4.4 40.99,52.32 ; J4.4 40.25,54.04 ; J4.4 39.51,52.32 ; J4.4 41.23,53.07 ; J4.4 40.25,52.09 ; 58.23,5.82 J1.1 ; J1.1 59,5.82 ; J1.1 57.45,5.82 ; J1.1 57.45,7 ; J1.1 59,7 ; J1.1 57.45,8.17 ; J1.1 58.23,8.17 ; J1.1 59,8.17 ; J19.2 74.98,80.09 ; J19.2 74.98,78.91 ; J19.2 73.43,80.09 ; J19.2 73.43,78.91 ; J19.2 73.43,77.73 ; J19.2 74.98,77.73 ; J19.2 74.2,80.09 ; J19.2 74.2,77.73 ; J12.10 42.65,75.99 ; J12.10 43.42,74.19 ; J12.10 43.67,74.96 ; J12.10 41.87,75.74 ; J12.10 42.65,73.94 ; J12.10 41.87,74.19 ; J12.10 43.42,75.74 ; J12.10 41.62,74.96 ; 60.84,77.71 J11.3 ; J11.3 59.86,78.69 ; J11.3 60.1,79.43 ; J11.3 61.58,77.94 ; J11.3 60.84,79.67 ; J11.3 60.1,77.94 ; J11.3 61.82,78.69 ; J11.3 61.58,79.43 ; 1.74,55.92 J9.4 ; J9.4 3.9,55.92 ; J9.4 3.9,56.69 ; J9.4 2.82,55.92 ; J9.4 1.74,57.47 ; J9.4 1.74,56.69 ; J9.4 2.82,57.47 ; J9.4 3.9,57.47 ; 56.12,83.24 J11.9 ; J11.9 57.39,80.24 ; J11.9 59.12,81.97 ; J11.9 58.66,80.69 ; J11.9 57.39,83.69 ; J11.9 56.12,80.69 ; J11.9 55.66,81.97 ; J11.9 58.66,83.24 ; J9.3 3.9,65.33 ; J9.3 1.74,65.33 ; J9.3 1.74,64.56 ; J9.3 3.9,66.11 ; J9.3 2.82,66.11 ; J9.3 2.82,64.56 ; J9.3 1.74,66.11 ; J9.3 3.9,64.56
  BOTTOM w0.203: J23.B45 v1(82.37,36.75) ; J25.A4 29.43,35.95 29.57,36.09 v1(30.26,36.09) ; v1(24.07,37.8) 24.9,37.8 25.05,37.95 J25.B9 ; v1(55.71,58.17) 55.56,58.17 55.31,57.92 J22.A6 ; v1(55.71,58.17) J22.A7 ; v1(55.71,58.17) 55.91,58.17 56.11,57.97 J22.A8 ; J22.A16 59.31,58.04 59.12,58.23 v1(58.58,58.23) ; J22.A37 v1(67.71,58.17) ; v1(80.57,46.99) 80.57,46.22 80.3,45.95 J23.A22 ; J22.B37 v1(67.71,59.96) ; J23.B36 v1(83.78,40.35) ; J25.B24 24.04,43.95 v1(23.68,43.6) ; v1(69.9,30.35) 70.76,30.35 71.71,31.31 J24.A4 ; J24.A10 69.31,31.14 69.11,30.94 v1(68.11,30.94) J24.A13 ; J23.B48 v1(83.78,35.55) ; J24.B7 v1(70.51,29.39) 71.46,29.39 71.71,29.14 J24.B4 ; J23.A36 80.55,40.35 80.75,40.16 v1(81.2,40.16) ; J24.B46 54.91,29.46 v1(54.92,29.47) 54.92,29.92 54.91,29.94 J24.A46 ; J24.A16 66.91,31.33 v1(66.51,30.93) J24.A17 ; J25.A24 29.56,43.95 29.71,43.8 v1(29.71,42.64) ; J24.B17 v1(66.51,29.37) 66.71,29.37 66.91,29.17 J24.B16 ; J22.B6 v1(55.31,61.37) ; v1(26.6,52.27) 26.52,52.35 J25.B45 ; J22.B16 59.31,60.08 59.77,59.63 v1(60.65,59.63) ; v1(26.49,45.95) 26.46,45.95 26.46,45.95 J25.B29 ; J24.A1 72.91,30.97 73.07,30.81 v1(73.07,30.35) ; v1(70.53,30.88) 70.51,30.9 J24.A7 ; J23.B8 81.9,51.55 v1(81.36,52.09) ; J25.A43 v1(28.28,51.55) ; J24.B10 69.31,29.02 68.99,29.35 v1(68.11,29.35) J24.B13 ; 24.89,39.95 J25.B14 ; 24.89,39.95 v1(24.1,39.16) ; 24.89,39.95 25.14,40.2 25.14,41.73 25.36,41.95 J25.B19 ; J23.B29 83.6,43.15 v1(83.81,43.37) ; J22.B30 64.91,61.34 v1(64.85,61.4) ; J25.A45 28.34,52.35 v1(28.19,52.21) ; J22.A3 v1(54.11,58.17) ; J24.A38 58.11,29.82 58.2,29.73 v1(58.2,29.27) 58.11,29.19 J24.B38 ; J23.B15 v1(83.78,48.75) ; J25.A34 v1(28.28,47.95) ; J25.B44 v1(25.08,51.95) ; J25.B34 v1(26.46,47.95) ; J23.A45 80.37,36.75 80.58,36.96 v1(80.58,37.15) J23.A44 ; J22.B7 v1(55.71,59.96) ; v1(70.18,58.18) 70.51,57.85 J22.A44 ; J23.A48 v1(80.58,35.55) ; J22.B8 v1(56.11,61.37) ; v1(27.59,45.87) 28.13,45.87 28.21,45.95 J25.A29 ; J25.A44 v1(29.69,51.95) ; J23.B22 v1(83.99,45.95) ; J23.A15 v1(80.58,48.75) ; J25.A14 v1(29.69,39.95) ; J24.B24 63.71,29.19 v1(63.84,29.32) 63.84,29.77 63.71,29.91 J24.A24 ; J22.B44 70.51,59.3 v1(70.08,58.87) ; J25.B43 v1(26.49,51.55) ; J24.A31 60.91,30.58 60.67,30.34 60.67,29.96 60.91,29.72 v1(60.91,29.15) J24.B31 ; v1(24.64,35.74) 24.85,35.95 J25.B4 ; J22.B23 v1(62.11,59.96) ; J23.A8 v1(80.58,51.55) ; J25.A9 v1(29.69,37.95) ; J22.A30 v1(64.91,58.17) ; J24.B1 v1(72.91,29.35) ; J23.B44 v1(83.78,37.15) ; J22.B3 v1(54.11,59.96) ; J23.A29 v1(80.58,43.15) ; J25.A19 v1(29.69,41.95) ; J22.A23 v1(62.11,58.17)
  BOTTOM w0.356: J2.4 40.25,40.36 ; J2.4 40.25,38.41 ; J2.4 39.27,39.39 ; J2.4 39.51,38.64 ; J2.4 40.99,38.64 ; 60.84,77.71 J11.3 ; J11.3 60.1,77.94 ; J11.3 60.84,79.67 ; J11.3 59.86,78.69 ; J11.3 61.58,77.94 ; J11.3 61.58,79.43 ; J11.3 60.1,79.43 ; J11.3 61.82,78.69 ; J11.8 71.09,83.69 ; J11.8 69.82,83.24 ; J11.8 71.09,80.24 ; J11.8 72.36,80.69 ; J11.8 72.82,81.97 ; J11.8 69.36,81.97 ; J11.8 69.82,80.69 ; J11.8 72.36,83.24 ; J9.3 2.82,66.11 ; J9.3 3.9,65.33 ; J9.3 1.74,64.56 ; J9.3 1.74,66.11 ; J9.3 2.82,64.56 ; J9.3 3.9,64.56 ; J9.3 1.74,65.33 ; J9.3 3.9,66.11 ; J11.9 58.66,80.69 ; J11.9 57.39,83.69 ; J11.9 56.12,80.69 ; J11.9 57.39,80.24 ; J11.9 59.12,81.97 ; J11.9 55.66,81.97 ; J11.9 56.12,83.24 ; J11.9 58.66,83.24 ; J12.7 35.78,75.99 ; J12.7 35,74.19 ; J12.7 35.78,73.94 ; J12.7 35,75.74 ; J12.7 36.8,74.96 ; J12.7 36.55,75.74 ; J12.7 34.75,74.96 ; J12.7 36.55,74.19 ; 57.45,8.17 J1.1 ; J1.1 57.45,5.82 ; J1.1 59,5.82 ; J1.1 57.45,7 ; J1.1 59,8.17 ; J1.1 58.23,8.17 ; J1.1 59,7 ; J1.1 58.23,5.82 ; 66.87,5.82 J1.2 ; J1.2 67.64,5.82 ; J1.2 66.09,7 ; J1.2 66.87,8.17 ; J1.2 66.09,5.82 ; J1.2 67.64,8.17 ; J1.2 67.64,7 ; J1.2 66.09,8.17 ; 77.96,5.82 J3.2 ; J3.2 77.96,8.17 ; J3.2 77.96,7 ; J3.2 79.52,5.82 ; J3.2 78.74,8.17 ; J3.2 79.52,8.17 ; J3.2 79.52,7 ; J3.2 78.74,5.82 ; J3.4 79.52,1.74 ; J3.4 78.74,3.89 ; J3.4 77.96,3.89 ; J3.4 78.74,1.74 ; J3.4 79.52,2.82 ; J3.4 77.96,2.82 ; J3.4 79.52,3.89 ; J3.4 77.96,1.74 ; 74.2,82.01 J19.4 ; J19.4 74.98,83.09 ; J19.4 73.43,84.17 ; J19.4 73.43,83.09 ; J19.4 74.98,82.01 ; J19.4 74.98,84.17 ; J19.4 74.2,84.17 ; J19.4 73.43,82.01 ; 70.1,1.74 J3.3 ; J3.3 70.88,2.82 ; J3.3 69.32,2.82 ; J3.3 70.88,1.74 ; J3.3 69.32,3.89 ; J3.3 69.32,1.74 ; J3.3 70.1,3.89 ; J3.3 70.88,3.89 ; J19.2 74.98,77.73 ; J19.2 74.2,77.73 ; J19.2 74.98,80.09 ; J19.2 74.98,78.91 ; J19.2 73.43,77.73 ; J19.2 73.43,80.09 ; J19.2 74.2,80.09 ; J19.2 73.43,78.91 ; 57.45,1.74 J1.3 ; J1.3 59,2.82 ; J1.3 59,1.74 ; J1.3 58.23,3.89 ; J1.3 57.45,2.82 ; J1.3 58.23,1.74 ; J1.3 57.45,3.89 ; J1.3 59,3.89 ; 69.32,7 J3.1 ; J3.1 70.88,5.82 ; J3.1 69.32,5.82 ; J3.1 70.1,5.82 ; J3.1 70.88,7 ; J3.1 70.88,8.17 ; J3.1 70.1,8.17 ; J3.1 69.32,8.17 ; 39.51,52.32 J4.4 ; J4.4 40.99,53.81 ; J4.4 39.27,53.07 ; J4.4 41.23,53.07 ; J4.4 40.25,52.09 ; J4.4 40.25,54.04 ; J19.1 83.62,78.91 ; J19.1 83.62,80.09 ; J19.1 82.84,80.09 ; J19.1 82.07,80.09 ; J19.1 82.07,77.73 ; J19.1 82.07,78.91 ; J1.4 67.64,2.82 ; J1.4 66.09,3.89 ; J1.4 66.87,3.89 ; J1.4 67.64,3.89 ; J1.4 66.09,1.74 ; J1.4 66.09,2.82 ; J1.4 67.64,1.74 ; J1.4 66.87,1.74 ; J12.10 43.67,74.96 ; J12.10 42.65,73.94 ; J12.10 41.87,75.74 ; J12.10 41.87,74.19 ; J12.10 42.65,75.99 ; J12.10 41.62,74.96 ; J12.10 43.42,75.74 ; J12.10 43.42,74.19 ; 2.66,31.58 J8.10 ; J8.10 2.43,30.84 ; J8.10 4.15,30.09 ; J8.10 3.4,29.86 ; J8.10 4.15,31.58 ; J8.10 3.4,31.81 ; J8.10 4.38,30.84 ; J8.10 2.66,30.09 ; J12.16 54.09,74.96 ; J12.16 49.33,74.96 ; J12.16 51.71,77.34 ; J12.16 51.71,72.59 ; J12.16 49.98,76.7 ; J12.16 53.44,73.23 ; J12.16 53.44,76.7 ; J12.16 49.98,73.23 ; J12.8 38.84,74.19 ; J12.8 37.04,74.96 ; J12.8 38.07,73.94 ; J12.8 38.07,75.99 ; J12.8 39.09,74.96 ; J12.8 37.29,75.74 ; J12.8 38.84,75.74 ; J12.8 37.29,74.19 ; 42.76,72.98 J12.5 ; J12.5 44.57,72.21 ; J12.5 43.01,72.21 ; J12.5 43.01,73.76 ; J12.5 44.57,73.76 ; J12.5 43.79,71.96 ; J12.5 44.82,72.98 ; J12.5 43.79,74.01 ; J8.2 3.4,21.65 ; J8.2 4.15,21.42 ; J8.2 3.4,19.7 ; J8.2 2.66,21.42 ; J8.2 2.43,20.68 ; J8.2 4.38,20.68 ; J8.2 4.15,19.93 ; J8.2 2.66,19.93 ; J9.1 7,66.11 ; J9.1 5.82,66.11 ; J9.1 8.18,65.33 ; J9.1 7,64.56 ; J9.1 8.18,64.56 ; J9.1 5.82,65.33 ; J9.1 5.82,64.56 ; J9.1 8.18,66.11 ; 7,55.92 J9.2 ; J9.2 7,57.47 ; J9.2 5.82,56.69 ; J9.2 5.82,55.92 ; J9.2 8.18,56.69 ; J9.2 8.18,57.47 ; J9.2 5.82,57.47 ; J9.2 8.18,55.92 ; J12.6 33.49,75.99 ; J12.6 34.26,74.19 ; J12.6 32.71,74.19 ; J12.6 34.51,74.96 ; J12.6 32.46,74.96 ; J12.6 32.71,75.74 ; J12.6 33.49,73.94 ; J12.6 34.26,75.74 ; J11.7 65.51,84.24 ; J11.7 64.24,81.24 ; J11.7 62.51,82.96 ; J11.7 64.24,84.69 ; J11.7 62.97,81.69 ; J11.7 65.51,81.69 ; J11.7 65.97,82.96 ; J11.7 62.97,84.24 ; 82.84,82.01 J19.3 ; J19.3 83.62,83.09 ; J19.3 82.07,82.01 ; J19.3 82.07,83.09 ; J19.3 83.62,84.17 ; J19.3 82.07,84.17 ; J19.3 82.84,84.17 ; 1.74,56.69 J9.4 ; J9.4 1.74,57.47 ; J9.4 2.82,55.92 ; J9.4 3.9,55.92 ; J9.4 1.74,55.92 ; J9.4 3.9,57.47 ; J9.4 2.82,57.47 ; J9.4 3.9,56.69 ; J12.17 26.71,77.34 ; J12.17 24.98,76.7 ; J12.17 28.44,73.23 ; J12.17 29.09,74.96 ; J12.17 28.44,76.7 ; J12.17 26.71,72.59 ; J12.17 24.33,74.96 ; J12.17 24.98,73.23
  BOTTOM w0.406: J16.10 72.71,71.95 v1(72.59,71.83) ; U41.11 v1(91.41,68.34)
  BOTTOM w0.508: C150.2 v1(84.63,70.19) ; J16.11 v1(88.41,70.89) ; J16.11 v1(89.27,71.95) ; J16.11 v1(87.56,71.95) ; J7.10 13.96,35.9 v1(14.1,35.76) ; C149.2 v1(85.63,70.19) ; v1(16.7,42) 16.25,42 16.09,41.85 J7.6 ; v1(4.26,37.45) v1(4.26,36.48) ; v1(4.26,37.45) v1(4.26,38.41) ; v1(4.26,37.45) v1(2.9,37.45) ; J7.11 v1(13.96,50.83) ; J7.13 v1(5.61,52.97) ; J7.13 v1(2.9,52.97) ; J7.13 v1(4.26,53.93) ; J7.13 v1(4.26,52) ; v1(73.73,80.29) J16.12 v1(74.69,81.65) ; J16.13 v1(89.25,80.29) ; J16.13 v1(88.3,81.65) ; J16.13 v1(90.21,81.65) ; C119.1 v1(100.92,74.15) ; C120.2 89.48,73.54 v1(89.21,73.81) ; v1(78.52,72.15) 78.13,71.75 J16.6
  vias: v1(1.19,50.58) v1(1.54,53.96) v1(1.54,31.83) v1(1.68,49.11) v1(1.98,43.53) v1(2.01,8.66) v1(2.13,12.63) v1(2.71,34.57) v1(2.86,17.68) v1(4.85,11.92) v1(5.34,14.37) v1(6.15,8.37) v1(6.38,44.27) v1(6.72,17.63) v1(7.02,6.47) v1(7.07,49.6) v1(7.26,33.2) v1(7.36,46.76) v1(7.46,10.16) v1(7.66,34.82) v1(8.08,80.95) v1(8.19,54.64) v1(9.14,83.66) v1(13.18,62.28) v1(13.18,61.01) v1(13.18,59.74) v1(13.97,20.66) v1(14.45,62.28) v1(14.45,61.01) v1(14.45,59.74) v1(15.72,62.28) v1(15.72,61.01) v1(15.72,59.74) v1(16.14,83.66) v1(16.28,80.47) v1(16.91,9.16) v1(17.15,2.3) v1(20.64,82.33) v1(21.14,46.14) v1(21.14,44.87) v1(21.14,43.6) v1(22.34,8.72) v1(22.41,46.14) v1(22.41,44.87) v1(22.41,43.6) v1(23.68,46.14) v1(23.68,44.87) v1(24.92,50.9) v1(26.03,79.49) v1(26.07,82.97) v1(30.65,79.97) v1(32.79,35.31) v1(33.03,84.41) v1(34.92,9.63) v1(35.32,37.72) v1(37.87,82.14) v1(43.36,83.48) v1(43.71,68.35) v1(46.71,68.35) v1(47.78,68.38) v1(49.72,82.06) v1(52.25,79.68) v1(53.59,84.66) v1(56.25,5.27) v1(57.25,77.14) v1(58.36,12.39) v1(59.35,7.65) v1(61.76,81.82) v1(62.29,16.42) v1(62.29,15.15) v1(62.29,13.88) v1(63.56,16.42) v1(63.56,15.15) v1(63.56,13.88) v1(64.83,16.42) v1(64.83,15.15) v1(64.83,13.88) v1(65.75,7.65) v1(66.44,10.42) v1(67.74,84.56) v1(69.4,64.9) v1(69.48,43.77) v1(69.48,42.62) v1(69.48,41.62) v1(69.48,40.62) v1(70.27,78.7) v1(71.22,7.65) v1(71.41,17.74) v1(75.16,12.18) v1(77.25,73.16) v1(77.25,72.15) v1(77.62,7.65) v1(78.52,73.16) v1(78.78,46.48) v1(78.78,44.68) v1(78.78,37.17) v1(78.78,35.37) v1(78.78,33.57) v1(78.78,32.1) v1(79.54,84.31) v1(79.79,73.16) v1(79.79,72.15) v1(81.56,20.37) v1(83.65,29.19) v1(84.99,18.17) v1(87.09,25.02) v1(88.36,25.02) v1(88.51,20.77) v1(89.63,25.02) v1(90.9,25.02) v1(93.36,28.21) v1(93.82,78.8) v1(93.9,73.79) v1(95.45,28.87) v1(95.45,23.03) v1(95.45,17.19) v1(98.05,28.6) v1(98.05,22.76) v1(98.05,16.92) v1(100.02,31.3) v1(100.02,29.7) v1(100.02,25.45) v1(100.02,23.85) v1(100.02,19.61) v1(100.02,18.01) v1(100.57,14.79) v1(100.57,13.79) v1(100.57,12.79) v1(100.57,11.79) v1(100.82,30.5) v1(100.83,24.65) v1(100.82,18.81) v1(101.62,31.3) v1(101.62,29.7) v1(101.63,25.45) v1(101.63,23.85) v1(101.62,19.61) v1(101.62,18.01) v1(103.51,57.57) v1(104.17,54.79) v1(104.49,6.41) v1(104.79,71.28) v1(104.93,50.32) v1(104.88,13.51) v1(104.88,1.91) v1(105.37,31.96) v1(105.37,26.12) v1(105.37,20.28) v1(105.47,41.9) v1(106.37,31.96) v1(106.37,26.12) v1(106.37,20.28) v1(108.62,44.35) v1(109.39,11.75) v1(109.58,53.31) v1(109.86,60.49) v1(109.98,76.74) v1(110.02,40.19) v1(110,8.59) v1(110.12,66.19) v1(110.5,73.66)
